# Altium PCB MCU036A_MSP-EXP430FR2355_PCB.PcbDoc (part 1 of 2) (continued)
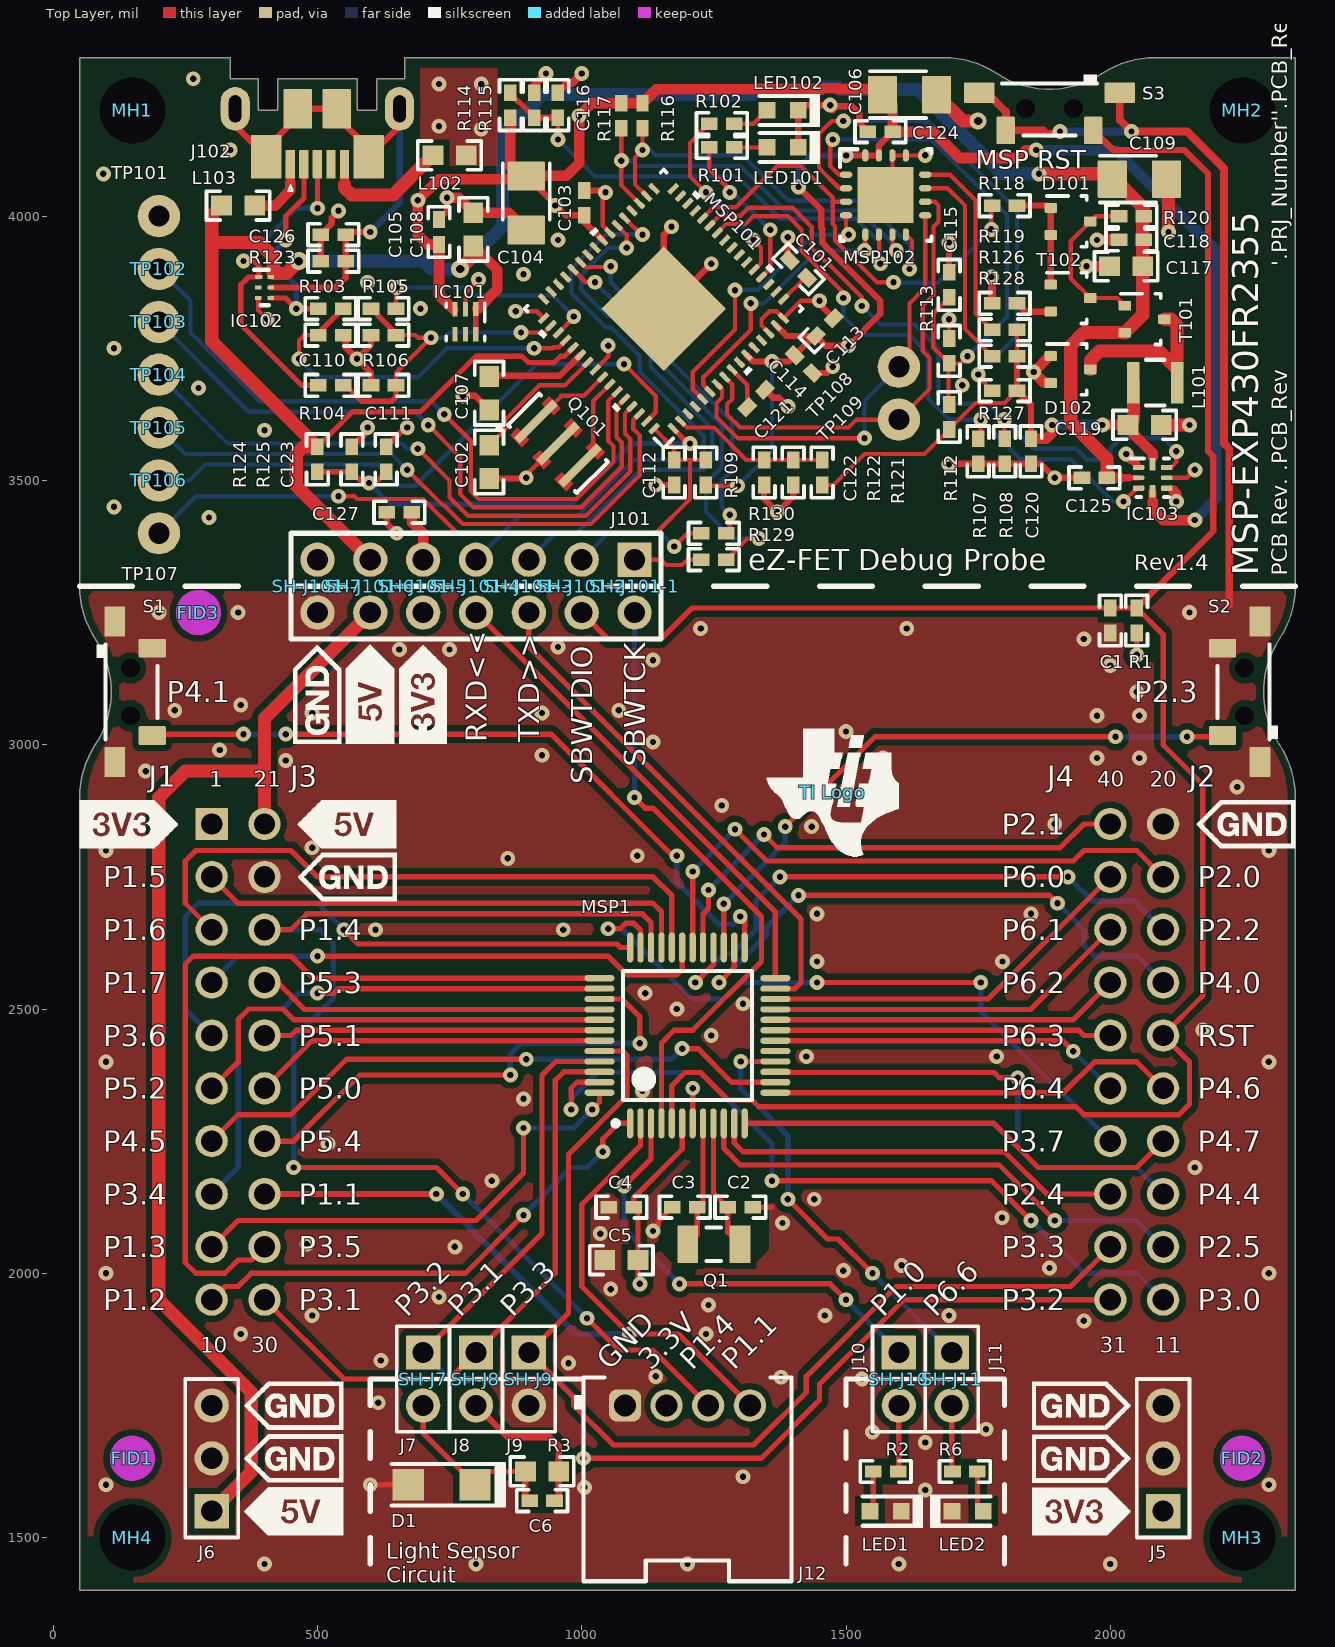
[diagram p0: Top Layer view]
## Components (designator, comment, footprint, x,y, rotation, side; value= is the part's Value field where it differs from the comment) (continued)
R113 "CRCW0402221KFKED" 0402 1695,3745 r90 top
R114 "CRCW0402221KFKED" 0402 865,4210 r90 top
R115 "CRCW0402221KFKED" 0402 910,4210 r90 top
R116 "CRCW04024K70JNED" 0402 1115,4190 r270 top
R117 "CRCW04024K70JNED" 0402 1075,4190 r270 top
R118 "RC0402FR-07820RL" 0402 1800,4020 r180 top
R119 "CRCW04020000Z0ED" 0402 1800,3835 r0 top
R120 "CRCW0402470RJNED" 0402 2040,4000 r0 top
R121 "CRCW0402221KFKED" 0402 1455,3515 r90 top
R122 "CRCW0402221KFKED" 0402 1400,3515 r270 top
R123 "CRCW040233K0JNED" 0402 530,3915 r0 top
R124 "CRCW0402240KFKED" 0402 500,3540 r270 top
R125 "CRCW0402150KFKED" 0402 565,3540 r90 top
R126 "CRCW04022K20FKED" 0402 1800,3785 r0 top
R127 "ERJ-2RKF3301X" 0402 1800,3670 r0 top
R128 "CRCW04026K81FKED" 0402 1800,3735 r180 top
R129 "CRCW040210R0FKED" 0402 1250,3350 r180 top
R130 "CRCW040210R0FKED" 0402 1250,3400 r180 top
S1 "1188E-1K2-V-TR" SW_1188E 160,3100 r0 top
S2 "1188E-1K2-V-TR" SW_1188E 2240,3100 r180 top
S3 "1188E-1K2-V-TR" SW_1188E 1885,4190 r270 top
SH-J7 "969102-0000-DA" SNT-100-BK-G 700,1800 r90 top
SH-J8 "969102-0000-DA" SNT-100-BK-G 800,1800 r90 top
SH-J9 "969102-0000-DA" SNT-100-BK-G 900,1800 r90 top
SH-J10 "969102-0000-DA" SNT-100-BK-G 1600,1800 r90 top
SH-J11 "969102-0000-DA" SNT-100-BK-G 1700,1800 r90 top
SH-J101-1 "969102-0000-DA" SNT-100-BK-G 1100,3300 r90 top
SH-J101-2 "969102-0000-DA" SNT-100-BK-G 1000,3300 r90 top
SH-J101-3 "969102-0000-DA" SNT-100-BK-G 900,3300 r90 top
SH-J101-4 "969102-0000-DA" SNT-100-BK-G 800,3300 r90 top
SH-J101-5 "969102-0000-DA" SNT-100-BK-G 700,3300 r90 top
SH-J101-6 "969102-0000-DA" SNT-100-BK-G 600,3300 r90 top
SH-J101-7 "969102-0000-DA" SNT-100-BK-G 500,3300 r90 top
T101 "DMG1013UW-7" SOT-323 2065,3805 r0 top
T102 "BC850CW,115" SOT-323 1925,3845 r0 top
"TI Logo" "Texas Instruments" TI_Symbol_Overlay_Medium 1475,2910 r0 top
"TI Logo 2" "Texas Instruments" TI_Horizontal_Overlay_Small 1200,3050 r180 bottom
TP101 "5001" Keystone5001 200,4000 r90 top
TP102 "5001" Keystone5001 200,3900 r90 top
TP103 "5001" Keystone5001 200,3800 r90 top
TP104 "5001" Keystone5001 200,3700 r90 top
TP105 "5001" Keystone5001 200,3600 r90 top
TP106 "5001" Keystone5001 200,3500 r90 top
TP107 "5001" Keystone5001 200,3400 r0 top
TP108 "5001" Keystone5001 1600,3715 r0 top
TP109 "5001" Keystone5001 1600,3615 r0 top
"WEEE Logo" "WEEE logo" WEEE_Minimum 1200,2285 r180 bottom
ZZ2 "These assemblies are ESD sensitive, ESD precautions shall be observed." AssemblyNote 200,4700 r0 top
ZZ3 "These assemblies must be clean and free from flux and all contaminants. Use of no clean flux is not acceptable." AssemblyNote 200,4850 r0 top
ZZ4 "These assemblies must comply with workmanship standards IPC-A-610 Class 2, unless otherwise specified." AssemblyNote 200,5000 r0 top
ZZ5 "Place a click-in Standoff (MAE-10, KangYang)  in hole MH1/MH2" AssemblyNote 200,5150 r0 top

## Footprints (in the part's own frame and the unit in brackets; to place one, negate y for a bottom-side part, rotate by r counter-clockwise, add the part's x,y. Pads: shape width x height; smd on the part's side, far side on the other; paste and mask are expansions set on the pad)
0402 [mm] "0402 from SM-752 data"
  rect 0.8x0.6 smd: 1(-0.6,0) 2(0.6,0)
  silkscreen extent -1.22,-0.52 1.22,0.52, body extent -0.55,-0.3 0.55,0.3, height 0.6
0603 [mm] "0603 from SM-752 data"
  rect 1x0.95 smd: 1(-0.8,0) 2(0.8,0)
  silkscreen extent -1.52,-0.69 1.52,0.69, body extent -0.87,-0.47 0.87,0.47, height 1
3216-18 [mm] "Based on AVX recommendation in http://www.avx.com/download/software/literature/AVX-Footprint-Library.pdf"
  rrect7% 1.4x1.8 smd: 1(-1.3,0) 2(1.3,0)
  silkscreen extent -1.9,-1.12 0.8,1.12, body extent -1.7,-0.9 1.7,0.9, height 1.82
AssemblyNote [mil] "Assembly Note"
BoosterPack_40pin_J1J3 [mm] "Receptacle, 2.54mm, 10x2, TH"
  rrect6% 1.55x1.55 hole 1.02: 1(1.27,11.43)
  round 1.55 hole 1.02: 2(1.27,8.89) 3(1.27,6.35) 4(1.27,3.81) 5(1.27,1.27) 6(1.27,-1.27) 7(1.27,-3.81) 8(1.27,-6.35) 9(1.27,-8.89) 10(1.27,-11.43) 21(-1.27,11.43) 22(-1.27,8.89) 23(-1.27,6.35) 24(-1.27,3.81) 25(-1.27,1.27) 26(-1.27,-1.27) 27(-1.27,-3.81) 28(-1.27,-6.35) 29(-1.27,-8.89) 30(-1.27,-11.43)
  silkscreen extent -7.62,-12.95 7.62,12.95, body extent -2.48,-12.95 2.48,12.95, height 8.51
BoosterPack_40pin_J2J4 [mm] "Receptacle, 2.54mm, 10x2, TH"
  round 1.55 hole 1.02: 11(-1.27,-11.43) 12(-1.27,-8.89) 13(-1.27,-6.35) 14(-1.27,-3.81) 15(-1.27,-1.27) 16(-1.27,1.27) 17(-1.27,3.81) 18(-1.27,6.35) 19(-1.27,8.89) 20(-1.27,11.43) 31(1.27,-11.43) 32(1.27,-8.89) 33(1.27,-6.35) 34(1.27,-3.81) 35(1.27,-1.27) 36(1.27,1.27) 37(1.27,3.81) 38(1.27,6.35) 39(1.27,8.89) 40(1.27,11.43)
  silkscreen extent -7.62,-12.95 2.48,12.95, body extent -2.48,-12.95 2.48,12.95, height 8.51
CBC2518 [mm] "Taiyo Yuden"
  rect 0.6x2 smd: 1(-1.05,0) 2(1.05,0)
  silkscreen extent -0.45,-1.1 0.45,1.1, body extent -1.35,-1 1.35,1, height 2
CE_Mark_5mm [mil] "Minimum text height for CE Mark"
  silkscreen extent -138,-98 138,98
DRY0006A [mm] "PSON, 6-Leads, Body 1x1.45mm, Pitch 0.5mm, TI Recommended"
  rect 0.35x0.2 smd: 1(-0.275,0.5)
  rect 0.3x0.2 smd: 2(-0.3,0) 3(-0.3,-0.5) 4(0.3,-0.5) 5(0.3,0) 6(0.3,0.5)
  silkscreen extent -0.5,-0.85 0.2,0.85, body extent -0.53,-0.75 0.53,0.75, height 0.61
DSE0006A [mm] "TI recommended land pattern"
  rect 0.66x0.25 smd: 1(-0.62,0.5)
  rect 0.7x0.25 smd: 2(-0.6,0) 3(-0.6,-0.5) 4(0.6,-0.5) 5(0.6,0) 6(0.6,0.5)
  Top Layer region: -0.3,0.625 -0.25,0.625 -0.15,0.525 -0.15,0.375 -0.3,0.375
  silkscreen extent -0.9,-0.92 0.9,0.92, body extent -0.77,-0.77 0.77,0.77, height 0.8
Epson_FC-135 [mm] "SMD, 2-Leads, Body 3.2x1.5mm"
  rect 1x1.8 smd: 1(-1.25,0) 2(1.25,0)
  silkscreen extent -0.35,-0.8 0.35,0.8, body extent -1.65,-0.8 1.65,0.8, height 0.9
ESD_Overlay_Medium [mil]
  silkscreen extent -127,-109 125,110
FCC_disclaimer [mil]
Fiducial6.4-20 [mil]
  round 25 smd mask+26.87: 1(0,0)
  Top Layer keep-out circle w46.37: c0,0 r19.68
Keystone5001 [mil] "For Keystone 500x miniature loop terminals"
  round 80 hole 40: 1(0,0)
  body extent -49,-49 49,49, height 182
KY_MAE-10 [mil] "Spacer Nylon Support"
  body extent -125,-108 125,108, height 394
LED_LTST-C190 [mm] "Lite-On"
  rect 0.8x0.8 smd: 1(-0.75,0) 2(0.75,0)
  silkscreen extent -1.1,-0.8 1.8,0.8, body extent -0.85,-0.45 0.85,0.45, height 0.9
LED_LTST-C190_Red [mm] "Lite-On"
  rect 0.8x0.8 smd: 1(-0.75,0) 2(0.75,0)
  silkscreen extent -1.1,-0.8 1.8,0.8, body extent -0.85,-0.45 0.85,0.45, height 0.9
Molex_1051640001 [mm] "Receptacle, USB 2.0, Micro B, 5 Pos, 0.65mm Pitch, R/A, SMT"
  rrect22% 0.45x1.38 smd: 1(1.3,4.11) 2(0.65,4.11) 3(0,4.11) 4(-0.65,4.11) 5(-1.3,4.11)
  rrect7% 1.475x2.1 smd: 6(-2.462,3.75) 11(2.462,3.75)
  rrect100% 1.4x2.1 hole 0.6 slot 1.3 at 90 deg: 7(-3.95,1.45) 10(3.95,1.45)
  rrect7% 1.375x1.9 smd: 8(-0.937,1.45) 9(0.937,1.45)
  silkscreen extent 1.2,5.1 1.4,5.4, body extent -4.1,-0.7 4.1,4.47, height 2.45
Murata_CSTCR [mm] "Murata"
  rect 0.4x2.6 smd mask+0.051: 1(-1.5,0) 2(0,0) 3(1.5,0)
  Top Layer region: -0.4,0.8 0.4,0.8 0.4,1.3 -0.4,1.3
  Top Layer region: -0.4,-1.35 -0.4,-0.85 0.4,-0.85 0.4,-1.35
  Top Layer region: -0.4,-1.35 -0.4,-0.85 0.4,-0.85 0.4,-1.35
  Top Layer region: -1.9,0.8 -1.1,0.8 -1.1,1.3 -1.9,1.3
  Top Layer region: -1.9,-1.35 -1.9,-0.85 -1.1,-0.85 -1.1,-1.35
  Top Layer region: -1.9,-1.35 -1.9,-0.85 -1.1,-0.85 -1.1,-1.35
  Top Layer region: 1.1,0.8 1.9,0.8 1.9,1.3 1.1,1.3
  Top Layer region: 1.1,-1.35 1.1,-0.85 1.9,-0.85 1.9,-1.35
  Top Layer region: 1.1,-1.35 1.1,-0.85 1.9,-0.85 1.9,-1.35
  silkscreen extent -2.61,-1.56 2.32,1.08, body extent -2.3,-1.05 2.3,1.05, height 1.2
NPTH125mil [mil]
  round 120 hole 125 unplated mask+15: 1(0,0)
PEC03SAAN_Launchpad_3V3 [mm] "SULLINS"
  rect 1.65x1.65 hole 1.016: 1(-2.54,0)
  round 1.65 hole 1.016: 2(0,0) 3(2.54,0)
  silkscreen extent -3.81,-1.27 3.81,6.3, body extent -3.84,-1.3 3.84,1.3, height 8.38
PEC03SAAN_Launchpad_5V0 [mm] "SULLINS"
  rect 1.65x1.65 hole 1.016: 1(-2.54,0)
  round 1.65 hole 1.016: 2(0,0) 3(2.54,0)
  silkscreen extent -3.81,-6.31 3.81,1.27, body extent -3.84,-1.3 3.84,1.3, height 8.38
PEC07DAAN_Launchpad_EZ-FET [mm] "Sullins"
  rect 1.65x1.65 hole 1.016: 1(-7.62,-1.27)
  round 1.65 hole 1.016: 2(-7.62,1.27) 3(-5.08,-1.27) 4(-5.08,1.27) 5(-2.54,-1.27) 6(-2.54,1.27) 7(0,-1.27) 8(0,1.27) 9(2.54,-1.27) 10(2.54,1.27) 11(5.08,-1.27) 12(5.08,1.27) 13(7.62,-1.27) 14(7.62,1.27)
  silkscreen extent -8.89,-2.54 8.89,7.57, body extent -8.95,-2.6 8.95,2.6, height 8.38
PT0048A_N [mm] "Thin QFP, 48-Leads, Body 7x7mm, Pitch 0.5mm, IPC Medium Density"
  oval 1.45x0.3 smd: 1(-4.225,2.75) 2(-4.225,2.25) 3(-4.225,1.75) 4(-4.225,1.25) 5(-4.225,0.75) 6(-4.225,0.25) 7(-4.225,-0.25) 8(-4.225,-0.75) 9(-4.225,-1.25) 10(-4.225,-1.75) 11(-4.225,-2.25) 12(-4.225,-2.75) 25(4.225,-2.75) 26(4.225,-2.25) 27(4.225,-1.75) 28(4.225,-1.25) 29(4.225,-0.75) 30(4.225,-0.25) 31(4.225,0.25) 32(4.225,0.75) 33(4.225,1.25) 34(4.225,1.75) 35(4.225,2.25) 36(4.225,2.75)
  oval 0.3x1.45 smd: 13(-2.75,-4.225) 14(-2.25,-4.225) 15(-1.75,-4.225) 16(-1.25,-4.225) 17(-0.75,-4.225) 18(-0.25,-4.225) 19(0.25,-4.225) 20(0.75,-4.225) 21(1.25,-4.225) 22(1.75,-4.225) 23(2.25,-4.225) 24(2.75,-4.225) 37(2.75,4.225) 38(2.25,4.225) 39(1.75,4.225) 40(1.25,4.225) 41(0.75,4.225) 42(0.25,4.225) 43(-0.25,4.225) 44(-0.75,4.225) 45(-1.25,4.225) 46(-1.75,4.225) 47(-2.25,4.225) 48(-2.75,4.225)
  silkscreen extent -4.35,-3.1 3.1,3.57, body extent -4.51,-4.51 4.51,4.51, height 1.5
RGC0064B [mm]
  rrect42% 0.6x0.24 smd mask+0.07: 1(-4.4,3.75) 2(-4.4,3.25) 3(-4.4,2.75) 4(-4.4,2.25) 5(-4.4,1.75) 6(-4.4,1.25) 7(-4.4,0.75) 8(-4.4,0.25) 9(-4.4,-0.25) 10(-4.4,-0.75) 11(-4.4,-1.25) 12(-4.4,-1.75) 13(-4.4,-2.25) 14(-4.4,-2.75) 15(-4.4,-3.25) 16(-4.4,-3.75) 33(4.4,-3.75) 34(4.4,-3.25) 35(4.4,-2.75) 36(4.4,-2.25) 37(4.4,-1.75) 38(4.4,-1.25) 39(4.4,-0.75) 40(4.4,-0.25) 41(4.4,0.25) 42(4.4,0.75) 43(4.4,1.25) 44(4.4,1.75) 45(4.4,2.25) 46(4.4,2.75) 47(4.4,3.25) 48(4.4,3.75)
  rrect42% 0.24x0.6 smd mask+0.07: 17(-3.751,-4.4) 18(-3.251,-4.4) 19(-2.751,-4.4) 20(-2.251,-4.4) 21(-1.75,-4.4) 22(-1.25,-4.4) 23(-0.75,-4.4) 24(-0.25,-4.4) 25(0.25,-4.4) 26(0.75,-4.4) 27(1.25,-4.4) 28(1.75,-4.4) 29(2.251,-4.4) 30(2.751,-4.4) 31(3.251,-4.4) 32(3.751,-4.4) 49(3.751,4.4) 50(3.251,4.4) 51(2.751,4.4) 52(2.251,4.4) 53(1.75,4.4) 54(1.25,4.4) 55(0.75,4.4) 56(0.25,4.4) 57(-0.25,4.4) 58(-0.75,4.4) 59(-1.25,4.4) 60(-1.75,4.4) 61(-2.251,4.4) 62(-2.751,4.4) 63(-3.251,4.4) 64(-3.751,4.4)
  rrect8% 1.19x1.19 on Top Paste: 65(-1.39,-1.39) 65(-1.39,1.39) 65(-1.39,0) 65(0,1.39) 65(0,0) 65(0,-1.39) 65(1.39,0) 65(1.39,-1.39) 65(1.39,1.39)
  rrect2% 4.25x4.25 smd paste-2.112: 65(0,0)
  silkscreen extent -5.1,-5.1 5.1,5.1, body extent -4.57,-4.57 4.57,4.57, height 1.01
RSA0016B [mm] "QFN, 16-Leads, Body 4x4mm, Pitch 0.65mm, Thermal Pad 2.7x2.7mm, TI Recommended"
  oval 0.6x0.3 smd: 1(-1.9,0.975) 2(-1.9,0.325) 3(-1.9,-0.325) 4(-1.9,-0.975) 9(1.9,-0.975) 10(1.9,-0.325) 11(1.9,0.325) 12(1.9,0.975)
  oval 0.3x0.6 smd: 5(-0.975,-1.9) 6(-0.325,-1.9) 7(0.325,-1.9) 8(0.975,-1.9) 13(0.975,1.9) 14(0.325,1.9) 15(-0.325,1.9) 16(-0.975,1.9)
  rect 2.7x2.7 smd paste-1.35: 17(0,0)
  silkscreen extent -2.2,-2.2 2.2,2.2, body extent -2.05,-2.05 2.05,2.05, height 1.01
RSE0008A [mm] "QFN, 8-Leads, Body 1.5x1.5mm, Pitch 0.5mm, TI Recommended"
  rrect40% 0.55x0.25 smd: 1(-0.675,0.5) 3(-0.675,-0.5) 5(0.675,-0.5) 7(0.675,0.5)
  rrect50% 0.55x0.2 smd: 2(-0.675,0) 6(0.675,0)
  rrect33% 0.3x0.6 smd: 4(0,-0.65) 8(0,0.65)
  silkscreen extent -1.02,-0.92 0.77,0.92, body extent -0.75,-0.75 0.75,0.75, height 0.6
SEEED_110990037 [mm] "Header(shrouded), 2mm, 4x1, R/A, TH"
  rrect50% 1.55x1.55 hole 1.05: 1(-3,0)
  round 1.55 hole 1.05: 2(-1,0) 3(1,0) 4(3,0)
  silkscreen extent -5.45,-8.45 5,1.35, body extent -5,-8.45 5,1.35, height 5.1
SFH_2701 [mm] "SMD, 2-Leads, Body 3.2x1.5mm"
  rect 1.5x1.5 smd paste-0.05 mask+0.05: 1(-1.6,0) 2(1.6,0)
  silkscreen extent -3.1,-1.1 2.4,1.1, body extent -1.68,-0.83 1.68,0.83, height 1.25
SNT-100-BK-G [mil] "Samtec STEP model"
  round 1 on Mech3: 0(0,0)
  body extent -100,-50 100,50, height 344
SOT-323 [mm] "Diodes Inc recommended land pattern.  2016-02-24"
  rrect21% 0.6x0.47 smd: 1(-0.95,0.65) 2(-0.95,-0.65) 3(0.95,0)
  silkscreen extent -1.14,-1.22 0.77,1.22, body extent -1.13,-1.13 1.12,1.12, height 1.13
SW_1188E [mm] "SMD, 4-Leads, Body 7.8x3.5mm"
  rrect10% 1x1.45 smd: 1(-1.1,3.375) 2(-1.1,-3.375)
  rrect11% 1.3x0.9 smd: 3(0.7,2.1) 4(0.7,-2.1)
  round 0 hole 0.9 unplated: ""(-0.35,-1.15) ""(-0.35,1.15)
  silkscreen extent -1.97,-2.28 0.95,2.28, body extent -2.55,-3.9 1.05,3.9, height 3.5
TI_Horizontal_Overlay_Small [mil]
  silkscreen extent -545,-68 545,67
TI_Symbol_Overlay_Medium [mil]
  silkscreen extent -124,-122 124,120
TSW-102-07-G-S [mm] "Samtec 100mil, 1x2, 230 mil above insulator"
  rrect6% 1.65x1.65 hole 1.016: 1(-1.27,0)
  round 1.65 hole 1.016: 2(1.27,0)
  silkscreen extent -2.54,-1.27 2.54,1.27, body extent -2.54,-1.27 2.54,1.27, height 8.38
WEEE_Minimum [mil] "WEEElie bin"
  silkscreen extent -95,-172 99,104

## Part data
C1 C112: "CAP, CERM, 1000 pF, 50 V, +/- 10%, X7R, 0402"
C2 C3: "CAP, CERM, 12 pF, 25 V, +/- 5%, C0G/NP0, 0402"
C4: "CAP, CERM, 0.1 µF, 50 V, +/- 20%, X5R, 0402"
C5: "CAP, CERM, 10 µF, 6.3 V, +/- 20%, X5R, 0603"
C6: "CAP, CERM, 1 pF, 50 V, +/- 10%, C0G/NP0, 0402"
C101: "CAP, CERM, 0.47 µF, 16 V, +/- 10%, X5R, 0402"
C102 C107: "CAP, CERM, 0.22 µF, 16 V, +/- 10%, X5R, 0603"
C103 C105 C113 C114 C118 C120 C121 C124 C125: "CAP, CERM, 0.1 µF, 10 V, +/- 10%, X5R, 0402"
C104: "CAP, TA, 10 µF, 10 V, +/- 20%, 3.4 ohm, SMD"
C106 C109: "CAP, TA, 4.7 µF, 10 V, +/- 10%, 5 ohm, SMD"
C108: "CAP, CERM, 1 µF, 10 V, +/- 10%, X5R, 0603"
C110 C111: "CAP, CERM, 10 pF, 50 V, +/- 5%, C0G/NP0, 0402"
C115 C116 C122 C123: "CAP, CERM, 33 pF, 50 V, +/- 5%, C0G/NP0, 0402"
C117 C119: "CAP, CERM, 4.7 µF, 16 V, +/- 10%, X5R, 0603"
C126: "CAP, CERM, 0.22 µF, 10 V, +/- 10%, X5R, 0402"
C127: "CAP, CERM, 100 pF, 50 V, +/- 5%, C0G/NP0, 0402"
D1: library part CMP-0002013-3, "High Speed PIN Photodiode, SMD"
D101 D102: "Diode, Schottky, 40 V, 0.12 A, AEC-Q101, SOT-323"
"ESD Logo": library part ESD_Susceptible, "ESD Susceptible Symbol"
"FCC Logo": library part FCC_disclaimer, "FCC_disclaimer"
FID1 FID2 FID3: "Fiducial mark.  There is nothing to buy or mount."
H1 H2: library part CMP-0077978-1, "Spacer Support, Nylon 66"
IC101: "Single Output LDO, 200 mA, Fixed 3.3 V Output, 2 to 5.5 V Input, with Low IQ, 6-pin WSON (DSE), -40 to 125 degC, Green (RoHS & no Sb/Br)"
IC102: "ESD-Protection Array for High-Speed Data Interfaces, 4 Channels, -40 to +85 degC, 6-pin SON (DRY), Green (RoHS & no Sb/Br)"
IC103: "0.75-Ohm DUAL SPST ANALOG SWITCH WITH 1.8-V COMPATIBLE INPUT LOGIC, RSE0008A (UQFN-8)"
J1/J3: library part BoosterPack_40pin_J1J3, "Receptacle, 2.54mm, 10x2, Tin, TH"
J2/J4: library part BoosterPack_40pin_J2J4, "Receptacle, 2.54mm, 10x2, Tin, TH"
J5 J6: "Header, 100mil, 3x1, Tin, TH"
J7 J8 J9 J10 J11: "Header, 100mil, 2x1, Gold, TH"
J12: "Header(shrouded), 2mm, 4x1, Tin, R/A, TH"
J101: "Header, 100mil, 7x2, Tin, TH"
J102: "Receptacle, USB 2.0, Micro B, 5 Position, R/A, SMT"
L101: "Inductor, Wirewound, Ceramic, 2.2 µH, 0.89 A, 0.13 ohm, SMD"
L102 L103: "Ferrite Bead, 1000 ohm @ 100 MHz, 0.6 A, 0603"
LED1 LED101: "LED, Red, SMD"
LED2 LED102: "LED, Green, SMD"
MH1 MH2 MH3 MH4: library part "Mounting Hole (non-standard) No Pad", "PCB Mounting Hole, No Pad"
MSP1: library part MSP430FR2355IPT, "Mixed-Signal Microcontroller, PT0048A (LQFP-48)"
MSP101: "25 MHz Mixed Signal Microcontroller with 128 KB Flash, 8192 B SRAM and 47 GPIOs, -40 to 85 degC, 64-pin QFN (RGC), Green (RoHS & no Sb/Br)"
MSP102: "16 MHz Mixed Signal Microcontroller with 8 KB Flash, 256 B SRAM and 16 GPIOs, 16-pin QFN (RSA), Green (RoHS & no Sb/Br)"
Q1: library part X1A0001410014, "Crystal, 32.768 KHz, 12.5 pF, SMD"
Q101: "Resonator, 4MHz, 39pF SMD"
R1: "RES, 47.0 k, 1%, 0.0625 W, 0402"
R2: "RES, 470, 1%, 0.063 W, 0402"
R3: "RES, 2.37 M, 1%, 0.1 W, 0603"
R6: "RES, 392, 1%, 0.063 W, 0402"
R101 R120: "RES, 470, 5%, 0.063 W, 0402"
R102: "RES, 390, 5%, 0.063 W, 0402"
R103 R104: "RES, 27, 5%, 0.063 W, 0402"
R105: "RES, 1.40 k, 1%, 0.063 W, 0402"
R106: "RES, 1.0 M, 5%, 0.063 W, 0402"
R107 R108: "RES, 4.70 k, 1%, 0.063 W, 0402"
R109: "RES, 47 k, 5%, 0.063 W, 0402"
R112 R113 R114 R115 R121 R122: "RES, 221 k, 1%, 0.063 W, 0402"
R116 R117: "RES, 4.7 k, 5%, 0.063 W, 0402"
R118: "RES, 820, 1%, 0.063 W, 0402"
R119: "RES, 0, 5%, 0.063 W, 0402"
R123: "RES, 33 k, 5%, 0.063 W, 0402"
R124: "RES, 240 k, 1%, 0.063 W, 0402"
R125: "RES, 150 k, 1%, 0.063 W, 0402"
R126: "RES, 2.20 k, 1%, 0.063 W, 0402"
R127: "RES, 3.30 k, 1%, 0.1 W, AEC-Q200 Grade 0, 0402"
R128: "RES, 6.81 k, 1%, 0.063 W, 0402"
R129 R130: "RES, 10.0, 1%, 0.063 W, 0402"
S1 S2 S3: "Switch, SPST, 0.05 A, 12 VDC, SMD"
SH-J7 SH-J8 SH-J9 SH-J10 SH-J11 SH-J101-1 SH-J101-2 SH-J101-3 SH-J101-4 SH-J101-5 SH-J101-6 SH-J101-7: "Shunt, 100mil, Gold plated, Black"
T101: "MOSFET, P-CH, -20 V, -0.82 A, SOT-323"
T102: library part "BC850CW,115, NXP Semiconductor", "Transistor, NPN, 45 V, 0.1 A, SOT-323"
"TI Logo" "TI Logo 2": library part TI_Logo, "Texas Instrument Corporate Signature"
TP101 TP102 TP103 TP104 TP105 TP106 TP107 TP108 TP109: "Test Point, Miniature, Black, TH"
"WEEE Logo": library part CMP-0074769-1
ZZ2 ZZ3 ZZ4 ZZ5: library part AssemblyNote

## Via types
v1: diameter 28, hole 12, Top Layer to Bottom Layer, 275 vias
v2: diameter 34, hole 16, Top Layer to Bottom Layer, 2 vias
v3: diameter 32, hole 16, Top Layer to Bottom Layer, 1 vias

## Nets (pads, with @x,y where several pads share a name; then routed paths per layer and width w, separated by ;. In a path a pad name is that pad's centre, name@x,y a point inside that pad or via, vN(x,y) a via of type N, cw(c..) or ccw(c..) an arc to the next point about the centre after c; other vN are vias at no path point)
3V3: C4.1 C5.2 J1/J3.1 J5.1 J12.2 J101.10 MSP1.6 R1.2 | length 387.7
  Top Layer w10: v1(1110,1980) 1106.5,1983.5 C5.2@1106.5,2025 1106.5,2117.13 C4.1@1098.62,2125 1098.62,2143.62 1190.16,2235.16 MSP1.6@1190.16,2283.66 ; v1(2050,3170) R1.2@2050,3211.38
5V0: J1/J3.21 J6.1 J101.12 | length 2157.1
  Top Layer w25: J6.1@300,1550 375,1625 375,1775 200,1950 200,2900 250,2950 400,2950 ; J1/J3.21@400,2850 400,2950 ; J101.12@600,3250 400,3050 400,2950
A0_RX: J1/J3.3 MSP1.32 | length 1213.1
  Top Layer w10: J1/J3.3@300,2650 250,2700 250,2780 270,2800 450,2800 500,2750 1135,2750 1170.47,2714.53 MSP1.32@1170.47,2616.34
A0_TX: J1/J3.4 MSP1.31 | length 970.8
  Top Layer w10: v1(500,2600) 1050,2600 1085,2565 1180,2565 1190.16,2575.16 MSP1.31@1190.16,2616.34
  Bottom Layer w10: J1/J3.4@300,2550 350,2600 v1(500,2600)
A1_SEEED: J1/J3.28 J12.4 MSP1.2 | length 1565.9
  Top Layer w10: MSP1.2@1111.42,2283.66 1111.42,2241.42 1000,2130 1000,1975 v1(1090,1885) 1183.11,1885 J12.4@1318.11,1750
  Top Layer w12: J1/J3.28@400,2150 v1(725,2150)
  Bottom Layer w12: v1(725,2150) 990,1885 v1(1090,1885)
A4_SEEED: J1/J3.23 J12.3 MSP1.34 | length 2364.9
  Top Layer w10: J1/J3.23@400,2650 450,2650 480,2680 1115,2680 1131.1,2663.9 MSP1.34@1131.1,2616.34 ; v1(455,2200) 725,2200 v1(775,2150) ; v1(1010,1915) 1070,1855 1134.37,1855 J12.3@1239.37,1750
  Bottom Layer w10: J1/J3.23@400,2650 505,2650 530,2625 530,2520 455,2445 v1(455,2200) ; v1(775,2150) v1(1010,1915)
A5: J1/J3.2 MSP1.33 | length 945.9
  Top Layer w10: J1/J3.2@300,2750 350,2700 1135,2700 1150.79,2684.21 MSP1.33@1150.79,2616.34
A8: J1/J3.26 MSP1.43 | length 671
  Top Layer w10: J1/J3.26@400,2350 490.16,2440.16 MSP1.43@1033.66,2440.16
A9: J1/J3.25 MSP1.42 | length 637.7
  Top Layer w10: J1/J3.25@400,2450 450,2450 459.84,2459.84 MSP1.42@1033.66,2459.84
A10: J1/J3.6 MSP1.41 | length 851.1
  Top Layer w10: J1/J3.6@300,2350 350,2400 350,2480 370,2500 435,2500 455.47,2479.53 MSP1.41@1033.66,2479.53
A11: J1/J3.24 MSP1.40 | length 654.7
  Top Layer w10: J1/J3.24@400,2550 425,2550 475.79,2499.21 MSP1.40@1033.66,2499.21
B0_SCL: J1/J3.9 MSP1.48 | length 914.9
  Top Layer w10: J1/J3.9@300,2050 350,2100 800,2100 890,2190 v1(890,2275) ; v1(1020,2310) 1033.66,2323.66 MSP1.48@1033.66,2341.73
  Bottom Layer w10: v1(890,2275) 985,2275 v1(1020,2310)
B0_SDA: J1/J3.10 MSP1.1 | length 944.3
  Top Layer w10: J1/J3.10@300,1950 325,1975 350,1975 375,2000 780,2000 v1(890,2110) ; v1(1040,2230) 1040,2254.57 1069.09,2283.66 MSP1.1@1091.73,2283.66
  Bottom Layer w10: v1(890,2110) 980,2200 1010,2200 v1(1040,2230)
B1_CLK: J1/J3.7 MSP1.14 | length 1165.2
  Top Layer w10: J1/J3.7@300,2250 350,2300 450,2300 555,2405 v1(895,2405) ; v1(1190,2425) 1220,2425 1283.58,2361.42 MSP1.14@1366.34,2361.42
  Bottom Layer w10: v1(895,2405) 1170,2405 v1(1190,2425)
B1_CS: J2/J4.13 MSP1.15 | length 906.3
  Top Layer w10: MSP1.15@1366.34,2381.1 1367.24,2380.2 1396.76,2380.2 1396.95,2380 1780,2380 1790,2370 v1(1825,2370)
  Bottom Layer w10: v1(1825,2370) 1825,2238.66 1863.66,2200 2050,2200 J2/J4.13@2100,2150
B1_MISO: J2/J4.14 MSP1.12 | length 847.1
  Top Layer w10: MSP1.12@1308.27,2283.66 1780,2283.66 1863.66,2200 2050,2200 J2/J4.14@2100,2250
B1_MOSI: J2/J4.15 MSP1.13 | length 778.5
  Top Layer w10: MSP1.13@1366.34,2341.73 1911.73,2341.73 1970,2400 2050,2400 J2/J4.15@2100,2350
BCL_RXD: J101.8 MSP1.24 | length 926.3
  Top Layer w10: J101.8@800,3250 1366.34,2683.66 MSP1.24@1366.34,2558.27
BCL_TXD: J101.6 MSP1.23 | length 966.7
  Top Layer w10: J101.6@900,3250 900,3185 1415,2670 1415,2550 1403.58,2538.58 MSP1.23@1366.34,2538.58
EZ_GND: C101.1 C102.1 C103.1 C104.2 C105.1 C106.2 C107.1 C108.1 C109.2 C110.2 C111.2 C112.1 C113.1 C114.1 C115.1 C116.1 C117.1 C118.1 C119.1 C120.1 C121.1 C122.1 C123.1 C124.1 C125.1 C126.1 C127.2 D102.1 D102.2 IC101.2 IC102.3 IC103.6 J101.13 L102.2 LED101.2 LED102.2 MSP101.14 MSP101.16 MSP101.39 MSP101.49 MSP101.56 MSP101.65@1155,3825 MSP102.13 MSP102.14 MSP102.17 Q101.2 R106.1 R107.1 R108.1 R113.2 R115.2 R119.1 R122.2 R123.1 R125.2 TP101.1 | length 3388.5
  Top Layer w8: IC102.3@388.19,3845.31 388.19,3821.81 v1(405,3805) ; IC101.2@780,3823.62 780,3855 v1(805,3880) ; v1(875,3820) 915.02,3820 MSP101.49@928.09,3806.93 ; v1@895,3510 Q101.2@955,3570 ; MSP101.56@1025.55,3709.47 1050,3733.92 v1(1050,3755) ; v1@1040,4040 1040,3981.76 MSP101.39@1053.39,3968.37 ; MSP101.14@1354.05,3779.07 1340,3793.11 1340,3805 1355,3820 1368.79,3820 MSP101.16@1381.89,3806.9 1414.98,3840 v1(1450,3840) ; MSP102.17@1575,4040 1587.8,4052.8 MSP102.14@1587.8,4114.8 MSP102.13@1613.39,4114.8 v1@1649.8,4114.8 ; R113.2@1695,3768.62 v1(1695,3805) ; IC103.6@2106.57,3505 2145,3505 v1(2160,3520)
  Top Layer w12: R123.1@506.38,3915 C126.1@506.38,3965 526.89,3985.51 526.89,3996.89 v1(540,4010) ; C110.2@553.62,3775 553.62,3751.38 v1(575,3730) ; R125.2@565,3563.62 v1@595,3593.62 ; C111.2@601.38,3680 601.38,3703.62 v1(575,3730) ; R106.1@601.38,3775 601.38,3756.38 v1(575,3730) ; C123.1@630,3563.62 v1@666.38,3600 ; C127.2@631.38,3440 631.38,3418.62 v1(650,3400) ; C105.1@730,3993.62 745,4008.62 v1(745,4035) ; v1(775,3660) 798.5,3660 C107.1@825,3633.5 ; C102.1@825,3503.5 893.5,3503.5 v1(895,3505) ; C103.1@1005,4048.62 v1@1041.38,4048.62 ; v1(1140,3491.22) 1174.85,3491.22 C112.1@1175,3491.38 ; v1(1170,3980) 1155,3965 MSP101.65@1155,3825 1160,3825 v1(1245,3910) ; C122.1@1345,3491.38 1345,3465 v1(1370,3440) 1400,3470 R122.2@1400,3491.38 ; C121.1@1346.7,3671.7 1362.16,3656.24 1373.76,3656.24 v1(1390,3640) ; v1(1390,3960) 1390,3920 C101.1@1393.3,3916.7 ; LED101.2@1409.53,4130 LED102.2@1409.53,4200 1419.53,4210 v1(1470,4210) 1470,4205 1475,4200 1482.87,4207.87 1512.13,4207.87 1525,4195 1525,4176.38 C124.1@1541.38,4160 ; C114.1@1436.7,3703.3 1463.3,3703.3 v1(1475,3715) ; v1(1450,3840) 1450,3833.41 C113.1@1476.7,3806.7 ; C115.1@1695,3893.62 v1(1695,3950) ; v1@1696.38,3531.38 R107.1@1750,3531.38 R108.1@1800,3531.38 C120.1@1850,3531.38 1868.62,3531.38 v1(1895,3505) C125.1@1946.38,3505
  Top Layer w15: R115.2@910,4233.62 910,4247.5 v1(932.5,4270) ; C116.1@955,4233.62 972.83,4251.46 981.46,4251.46 v1(1000,4270) ; R119.1@1776.38,3835 v1@1776.38,3883.62
  Top Layer w20: v1(745,4035) 767.17,4035 C108.1@795.67,4006.5 ; C108.1@795,4006.5 C108.1@795.67,4006.5 ; C104.2@895,3973.82 862.32,4006.5 C108.1@795.67,4006.5 ; D102.2@1887.6,3684.41 1875.59,3684.41 v1(1855,3705) 1885.59,3735.59 D102.1@1887.6,3735.59 ; v1(1955,3905) C117.1@1998.5,3905 ; v1(1975,3955) C118.1@2016.38,3955
  Top Layer w25: C106.2@1671.18,4230 1721.18,4180 v3(1750,4180) ; C119.1@2096.5,3605 v1(2150,3605) ; C109.2@2106.18,4070 2110,4066.18 v1(2110,3970)
  other v1: 295,3430 115,3450 1695,3530 400,3595 595,3600 670,3600 275,3675 1720,3680 115,3750 695,3825 595,3875 1775,3885 1045,4045 95,4080 1650,4115 335,4125 810,4165 730,4170 730,4250 810,4250 265,4260
EZFET_AVBUS: C123.2 MSP101.1 R124.2 R125.1 | length 863
  Top Layer w10: R124.2@500,3516.38 R125.1@565,3516.38 586.38,3495 v1(597.5,3495) 608.62,3495 C123.2@630,3516.38 ; MSP101.1@1173.1,3598.11 1201.21,3570 v1(1205,3570)
  Bottom Layer w10: v1(597.5,3495) 637.5,3455 980,3455 1095,3570 v1(1205,3570)
EZFET_AVCC: C116.2 MSP102.6 R114.2 R115.1 | length 950.8
  Top Layer w8: v1(955,4145) C116.2@955,4186.38 ; v1@1559.41,3915 v1@1562.2,3912.2 ; MSP102.6@1562.2,3965.2 v1@1562.2,3912.2 ; v1(1565,3910) 1564.41,3910 v1@1562.2,3912.2
  Top Layer w10: R114.2@865,4233.62 865,4231.38 881.38,4215 882.86,4215 910,4187.86 R115.1@910,4186.38
  Top Layer w12: R115.1@910,4186.38 C116.2@955,4186.38
  Bottom Layer w8: v1(955,4145) 1025,4075 1295,4075 1375,3995 1518.58,3995 1565,3948.58 v1(1565,3910) v1@1560,3915
EZFET_AVCCOUT: C115.2 MSP102.1 R112.2 R113.1 | length 1045.4
  Top Layer w8: v1(1475,4145) 1470,4140 1470,4095 1486.61,4078.39 MSP102.1@1500.2,4078.39 ; R112.2@1695,3643.62 1694.13,3643.62 1694.13,3720.5 R113.1@1695,3721.38 ; C115.2@1695,3846.38 1665,3816.38 1665,3751.38 R113.1@1695,3721.38 ; v1(1730,3735) 1716.38,3721.38 R113.1@1695,3721.38
  Bottom Layer w8: v1(1475,4145) 1661.09,4145 1805,4001.09 1805,3810 v1(1730,3735)
EZFET_AVCCOUT2ADC: C122.2 MSP101.2 R121.2 R122.1 | length 298.4
  Top Layer w8: MSP101.2@1187.01,3612.03 1199.05,3600 1250,3600 1311.38,3538.62 C122.2@1345,3538.62 R121.2@1455,3538.62
EZFET_DCDCCAL0: MSP102.12 R126.1 | length 373.2
  Top Layer w8: MSP102.12@1649.8,4078.39 1696.61,4078.39 1745,4030 1745,3816.38 R126.1@1776.38,3785
EZFET_DCDCCAL1: MSP102.2 R127.1 | length 973
  Top Layer w8: v1(1495,4180) 1473.41,4180 1468.41,4175 1449.13,4155.72 1449.13,4092.39 1450.87,4090.65 1450.87,4089.13 1487.2,4052.8 MSP102.2@1500.2,4052.8 ; v1(1750.37,3700.37) 1750,3700 1750,3696.38 R127.1@1776.38,3670
  Bottom Layer w8: v1(1495,4180) 1645,4180 1650,4175 1655,4180 1823.62,4011.38 1823.62,3773.62 v1(1750.37,3700.37)
EZFET_DCDCCAL2: MSP102.11 R128.2 | length 395.1
  Top Layer w8: MSP102.11@1649.8,4052.8 1692.2,4052.8 1725,4020 1725,3786.38 R128.2@1776.38,3735
EZFET_DCDCIO0: MSP101.5 MSP102.4 | length 537.4
  Top Layer w8: MSP101.5@1228.77,3653.79 1210,3672.56 1210,3705 1290,3785 v1(1290,3860) ; v1@1500.2,3969.8 MSP102.4@1500.2,4001.61
  Bottom Layer w8: v1(1290,3860) 1290.87,3860.87 1334.28,3860.87 1438.41,3965 v1(1505,3965)
EZFET_DCDCIO1: MSP101.6 MSP102.5 | length 497.1
  Top Layer w8: MSP101.6@1242.69,3667.71 1230,3680.4 1230,3695 1320,3785 v1(1320,3835) ; v1(1535,3935) 1536.61,3936.61 MSP102.5@1536.61,3965.2
  Bottom Layer w8: v1(1320,3835) 1345,3835 1445,3935 v1(1535,3935)
EZFET_DCDCPULSE: MSP101.28 MSP102.3 R118.2 | length 836.1
  Top Layer w8: MSP101.28@1228.76,3996.22 1249.29,4016.75 1291.75,4016.75 1370,4095 1415,4095 1475,4035 1475,4027.2 ; MSP102.3@1500.2,4027.2 1475,4027.2 ; v1(1590,3875) 1558.41,3875 1479.13,3954.28 1479.13,3980.87 1475,3985 1475,4027.2 ; v1(1775,3975) 1775,4018.62 R118.2@1776.38,4020
  Bottom Layer w8: v1(1590,3875) 1590.87,3874.13 1674.13,3874.13 v1(1775,3975)
EZFET_DCDCRST: MSP101.7 MSP102.9 TP108.1 | length 835.3
  Top Layer w8: MSP101.7@1256.61,3681.63 1265.44,3672.8 1265.44,3656.96 1255,3646.52 1255,3620 1295,3580 v1(1535,3580) ; TP108.1@1600,3715 1620,3735 1620,3835 1649.8,3864.8 MSP102.9@1649.8,4001.61
  Bottom Layer w8: v1(1535,3580) 1535,3650 TP108.1@1600,3715
EZFET_DCDCTEST: MSP101.8 MSP102.10 TP109.1 | length 897.3
  Top Layer w8: MSP101.8@1270.53,3695.55 1285,3681.08 1285,3654.07 1275,3644.07 1275,3625 1300,3600 1505,3600 1520,3615 TP109.1@1600,3615 1658,3673 1658,3732 1645,3745 1645,3830 1665.68,3850.68 1665.68,3980 1675,3989.32 1675,4020 1667.8,4027.2 MSP102.10@1649.8,4027.2
EZFET_DM: IC102.4 J102.2 R103.1 | length 411.1
  Top Layer w10: IC102.4@411.81,3845.31 439.68,3845.31 v1(460,3825) R103.1@506.38,3825 ; v1(440,3955) 440,4000 474.41,4034.41 J102.2@474.41,4098.19
  Bottom Layer w10: v1(440,3955) 425,3940 425,3905 460,3870 v1(460,3825)
EZFET_DP: IC102.1 J102.3 R104.1 | length 633
  Top Layer w10: v1(360,3915) 380,3915 389.17,3905.83 IC102.1@389.17,3884.69 369.69,3884.69 355,3870 355,3795 470,3680 R104.1@506.38,3680 ; v1(500,4015) J102.3@500,4098.19
  Bottom Layer w10: v1(360,3915) 460,4015 v1(500,4015)
EZFET_HOSTSCL: MSP101.35 MSP102.7 R117.2 | length 793.6
  Top Layer w8: R117.2@1075,4166.38 v1(1075,4105) 1075,4058.11 MSP101.35@1109.07,4024.05 ; MSP102.7@1587.8,3965.2 1587.8,3937.2 1590,3935 1590,3930 v1(1595,3935)
  Bottom Layer w8: v1(1075,4105) 1095,4105 1105,4095 1300,4095 1384.13,4010.87 1525.16,4010.87 1595,3941.03 v1(1595,3935)
EZFET_HOSTSDA: MSP101.34 MSP102.8 R116.2 | length 841.7
  Top Layer w8: R116.2@1115,4166.38 v1(1115,4125) 1100.87,4110.87 1100.87,4060.08 MSP101.34@1122.99,4037.97 ; MSP102.8@1613.39,3965.2 1625,3953.58 1625,3905 v1(1620,3900)
  Bottom Layer w8: v1(1115,4125) 1130,4125 1140,4115 1305,4115 1390.87,4029.13 1535.87,4029.13 1604.13,3960.87 1605.72,3960.87 1620.87,3945.72 1620.87,3900.87 v1(1620,3900)
EZFET_LED0: MSP101.20 R101.2 | length 303.1
  Top Layer w8: R101.2@1241.38,4130 1241.38,4088.62 1280,4050 v1(1280,4045) ; MSP101.20@1340.14,3884.84 1356.61,3901.3 v1(1356.61,3974.13)
  Bottom Layer w8: v1(1280,4045) 1285.73,4045 v1(1356.61,3974.13)
EZFET_LED1: MSP101.21 R102.2 | length 362.2
  Top Layer w8: v1(1235,4045) 1205,4075 1205,4138.62 R102.2@1241.38,4175 ; v1(1325,3955) 1339.13,3940.87 1339.13,3911.67 MSP101.21@1326.22,3898.76
  Bottom Layer w8: v1(1235,4045) 1235,4050 1325,3960 v1(1325,3955)
EZFET_NC_TMSC: MSP101.45
EZFET_PU.0/DP: C111.1 MSP101.50 R104.2 R105.2 R106.2 | length 622
  Top Layer w8: C111.1@648.62,3680 648.62,3703.62 v1(715,3770) 690,3770 685,3775 R106.2@648.62,3775 ; v1(885,3780) 929,3780 MSP101.50@942.01,3793.01
  Top Layer w10: R104.2@553.62,3680 583.62,3650 640.5,3650 648.62,3658.12 C111.1@648.62,3680 ; R105.2@601.38,3825 R106.2@648.62,3777.76
  Bottom Layer w8: v1(715,3770) 740,3770 750,3780 v1(885,3780)
EZFET_PU.1/DM: C110.1 MSP101.52 R103.2 | length 690.4
  Top Layer w8: v1(465,3730) 465,3765 475,3775 C110.1@501.38,3775 ; v1@913.13,3750 945,3750 946.87,3751.87 956.57,3751.87 MSP101.52@969.86,3765.16
  Top Layer w10: C110.1@501.38,3775 501.38,3777.76 R103.2@548.62,3825
  Bottom Layer w8: v1(465,3730) 500,3695 690,3695 745,3750 v1(910,3750)
EZFET_PUR: MSP101.51 R105.1 | length 441.3
  Top Layer w8: R105.1@648.62,3825 648.62,3863.62 v1(650,3865) ; MSP101.51@955.93,3779.09 985,3808.15 v1(985,3810)
  Bottom Layer w8: v1(650,3865) 780,3865 795,3850 945,3850 v1(985,3810)
EZFET_RST: C112.2 MSP101.64 R109.2 TP107.1 | length 1298.8
  Top Layer w8: v1(540,3470) 570,3470 575,3465 700,3465 765,3400 1140,3400 1205,3465 1205,3538.62 ; MSP101.64@1136.93,3598.09 1175,3560.02 C112.2@1175,3538.62 1205,3538.62 ; R109.2@1235,3538.62 1205,3538.62
  Bottom Layer w8: TP107.1@200,3400 270,3470 v1(540,3470)
EZFET_SBWTCK: MSP101.44 R129.1 | length 796.6
  Top Layer w8: MSP101.44@983.79,3898.77 1007.56,3875 v1(1025,3875) ; R129.1@1273.62,3350 1313.62,3390 v1(1335,3390)
  Bottom Layer w8: v1(1025,3875) 1150,3750 1150,3720 1265,3605 1265,3525 1235,3495 1235,3440 1285,3390 v1(1335,3390)
EZFET_SBWTDIO: MSP101.43 R130.1 | length 678.7
  Top Layer w8: MSP101.43@997.71,3912.29 1006.13,3903.87 1053.87,3903.87 v1(1055,3905) ; R130.1@1273.62,3400 1280,3406.38 v1(1280,3435)
  Bottom Layer w8: v1(1055,3905) 1055,3875 1170,3760 1170,3725 1285,3610 1285,3520 1265,3500 1265,3450 v1(1280,3435)
EZFET_SHIELD: C126.2 IC102.5 J102.6 J102.7 J102.8 J102.9 J102.10 J102.11 R123.2 | length 1040.5
  Top Layer w12: J102.10@344.49,4202.91 344.49,4170.93 J102.11@403.05,4112.36 403.05,4128.05 463.09,4188.09 J102.9@463.09,4202.91 J102.8@536.91,4202.91 536.91,4188.09 596.95,4128.05 J102.6@596.95,4112.36 J102.7@655.51,4170.93 ; IC102.5@411.81,3865 535,3865 553.62,3883.62 R123.2@553.62,3915 553.62,3970 v1(600,3970)
  Bottom Layer w12: v1(600,3970) 655.51,4025.51 J102.7@655.51,4202.91